# Altium PCB SOM Board with RK3399.PcbDoc (part 1 of 5)
Units mil, origin at the board's own origin, x right, y up, seen from the top; angles counter-clockwise.
Board outline 2740.16 x 1968.5 mil, 12 copper layers (Top Layer, GND-1, PWR-1, PWR-2, GND-2, L1, GND-3, L2, GND-4, L3, GND-5, Bottom Layer), stack 70.898 mil thick; 567 components, 532 nets, 5770 pads, 0 vias.
Unrouted connection lines stored in the file: 2231.
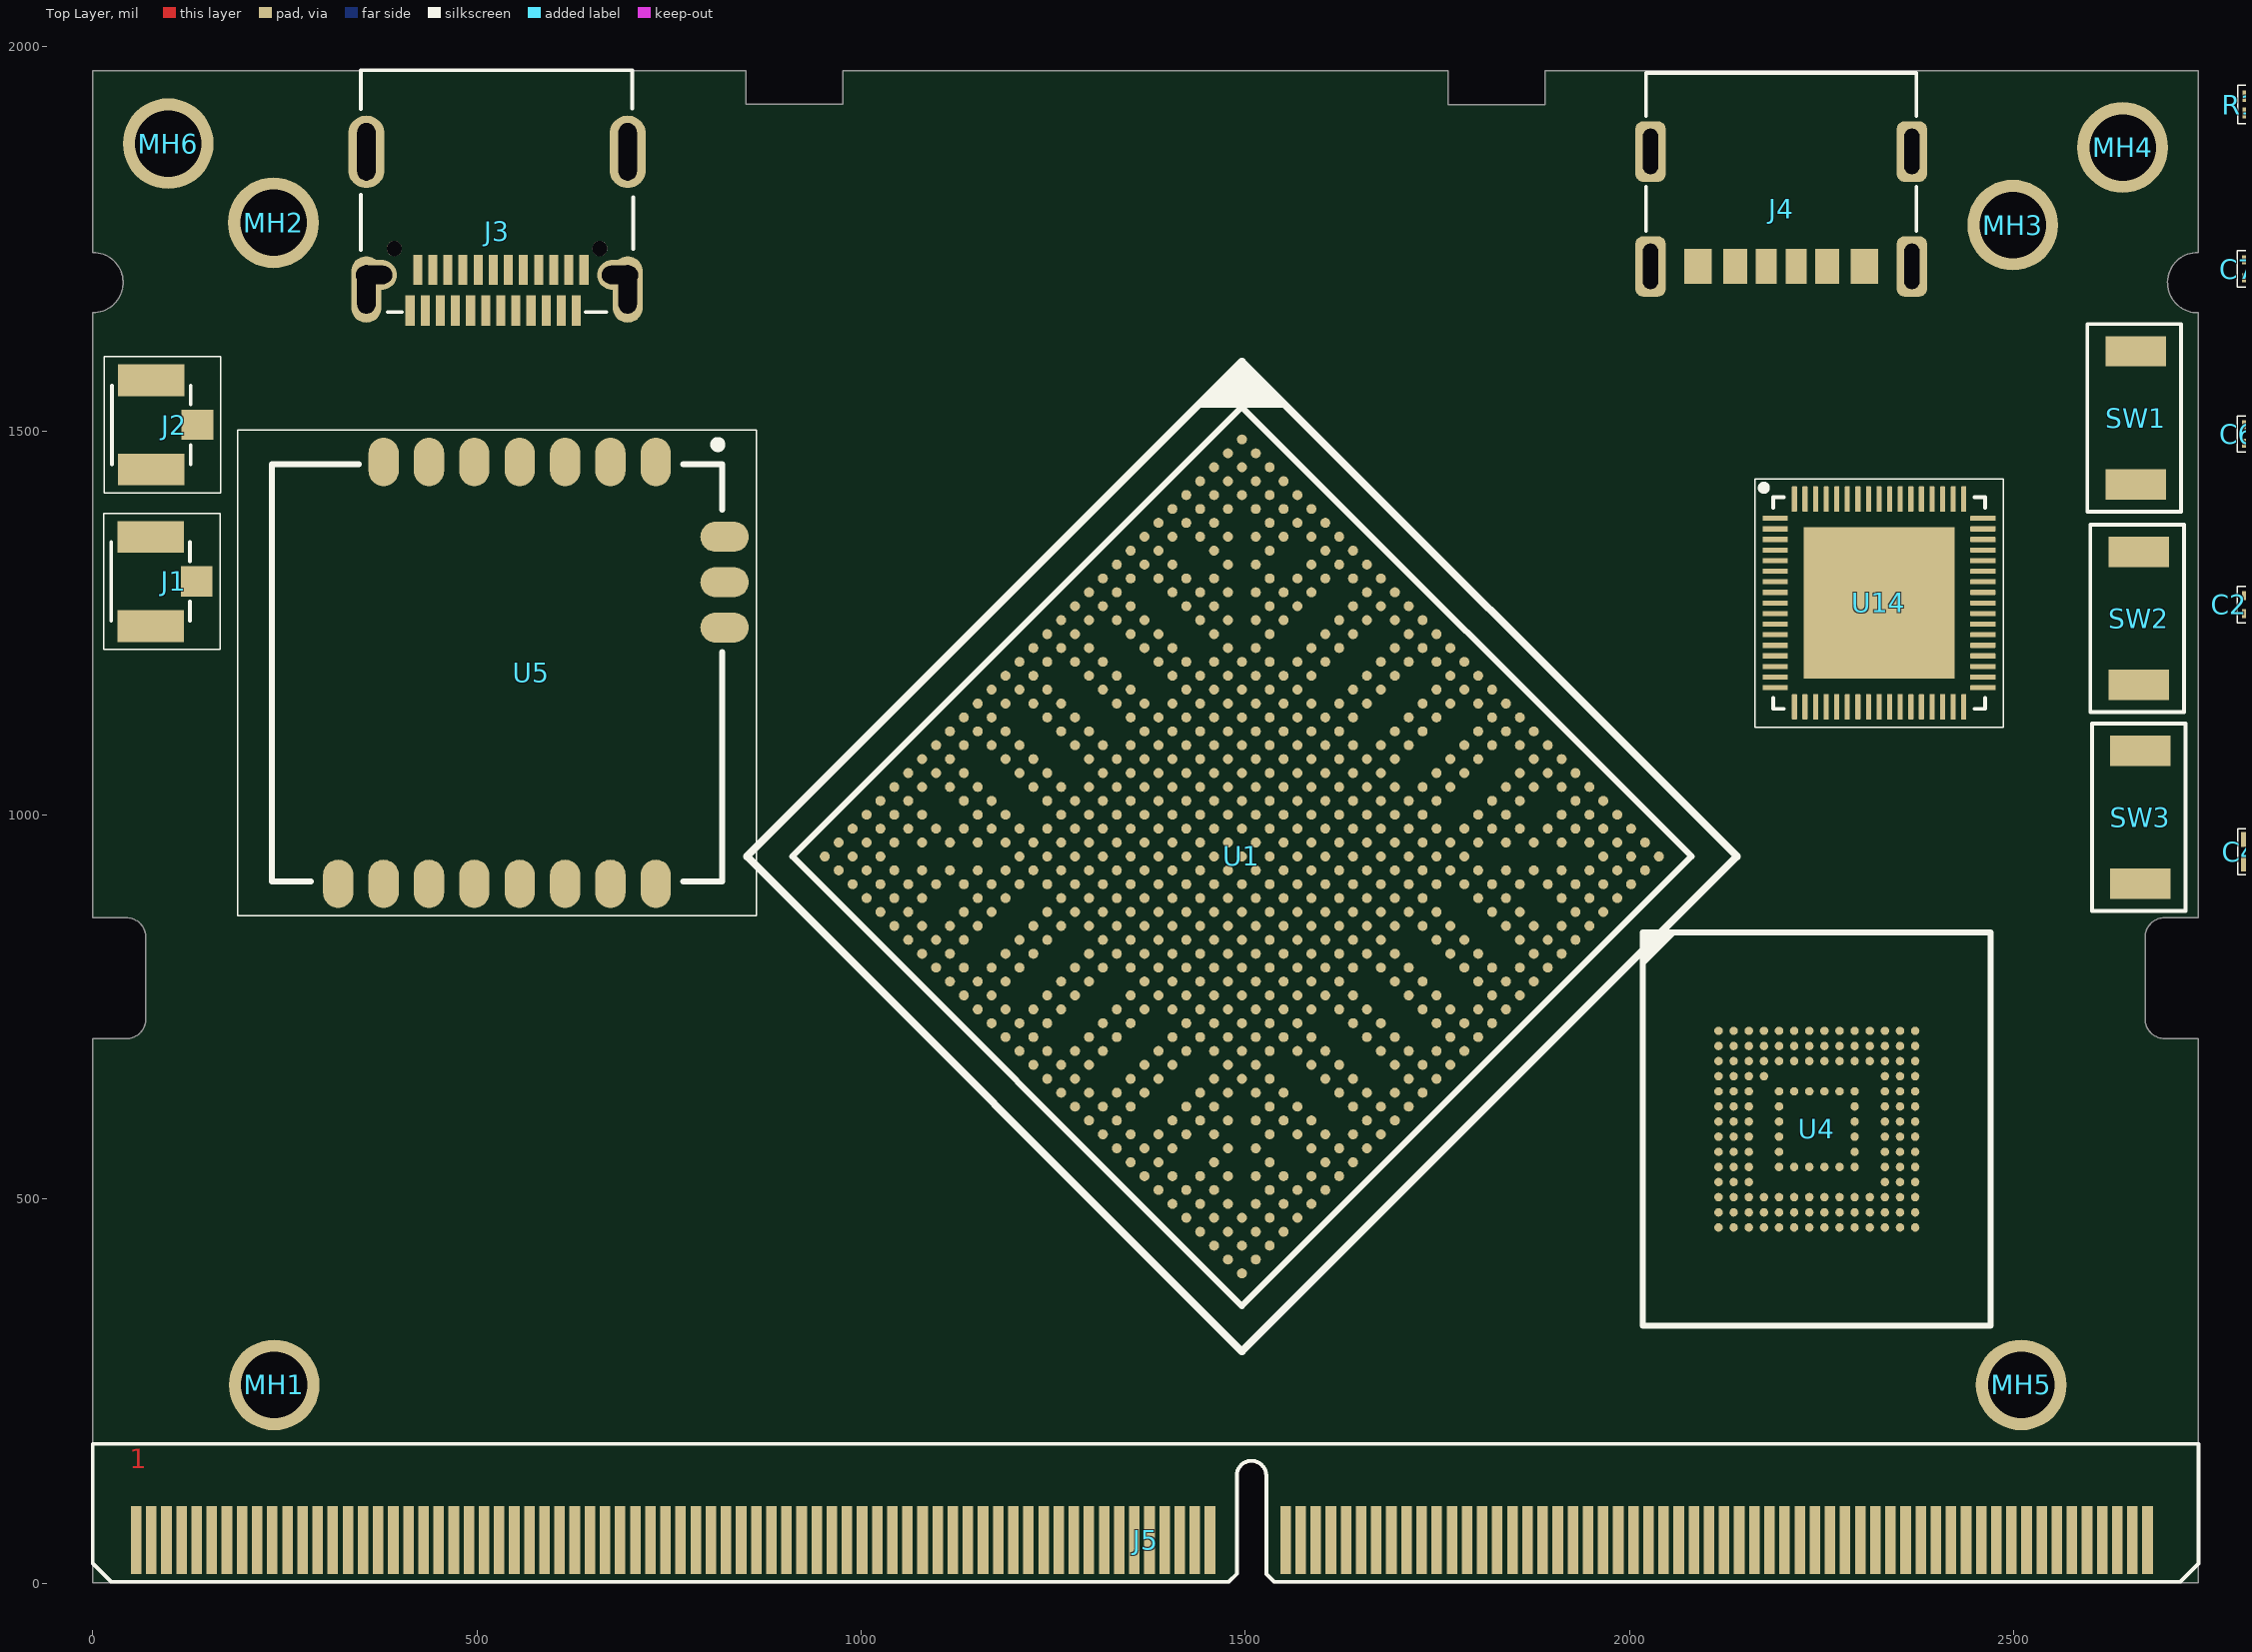
[diagram p0: Top Layer view]
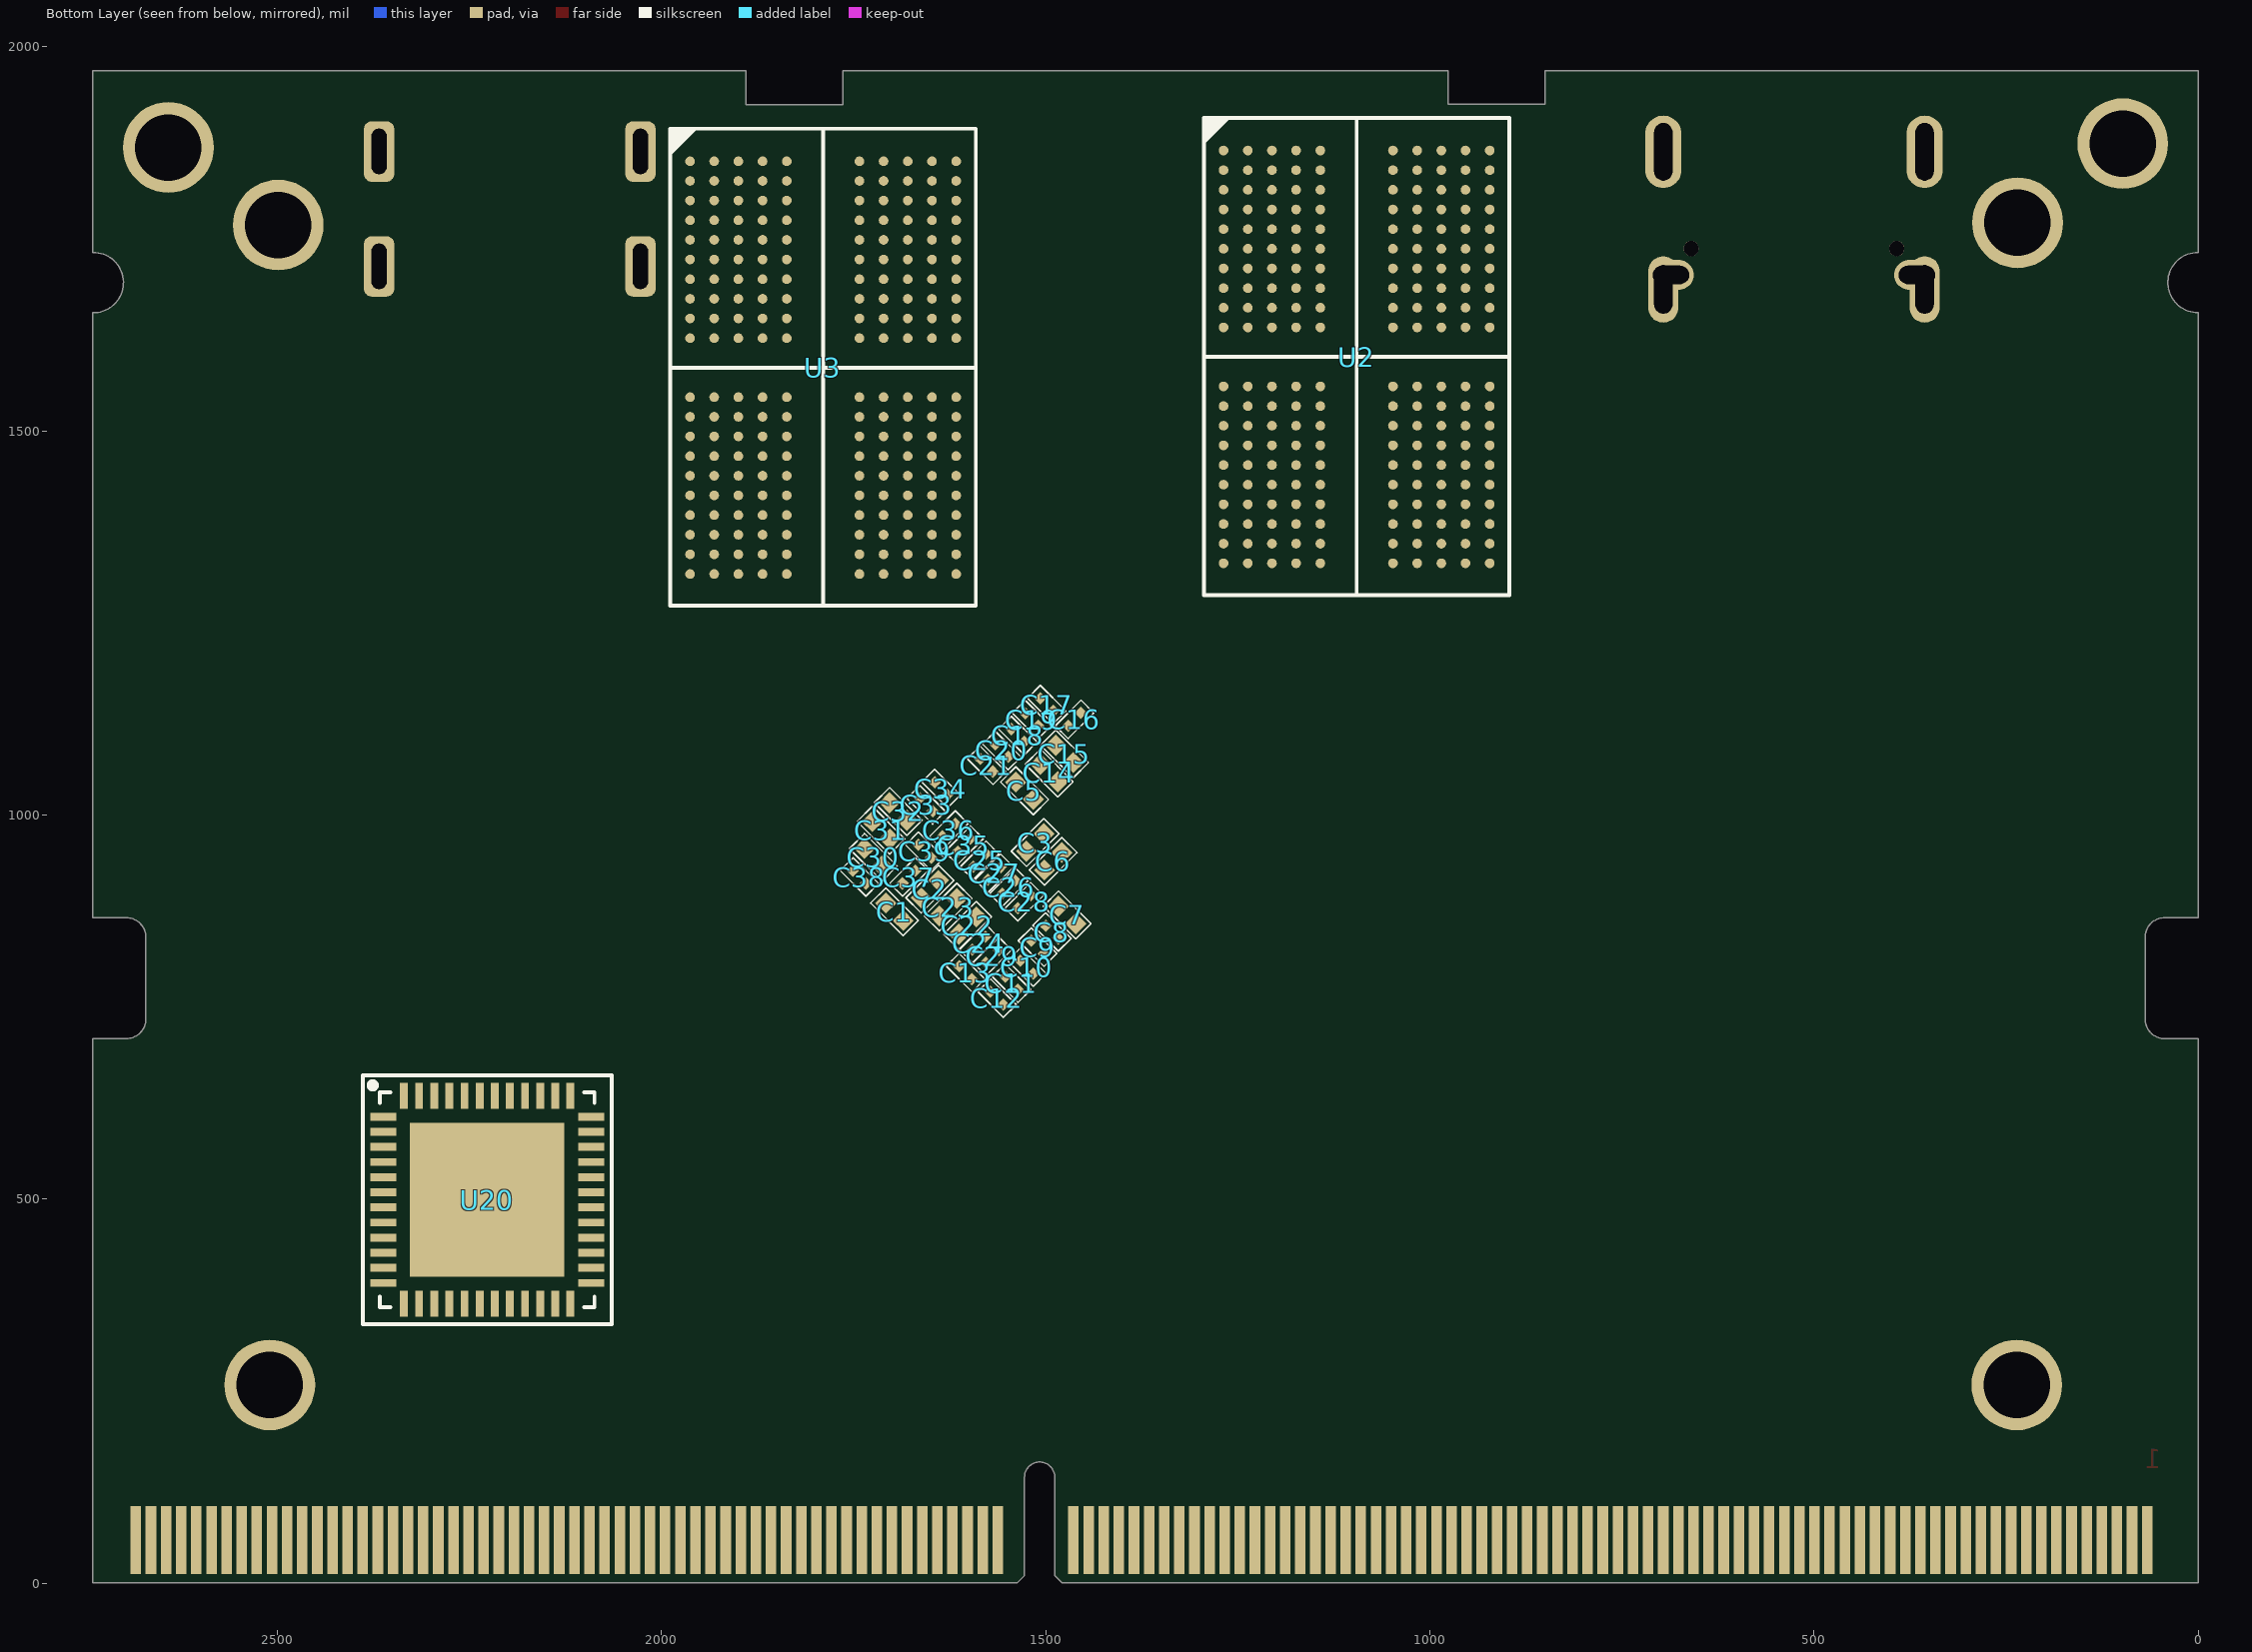
[diagram p1: Bottom Layer view, seen from below]
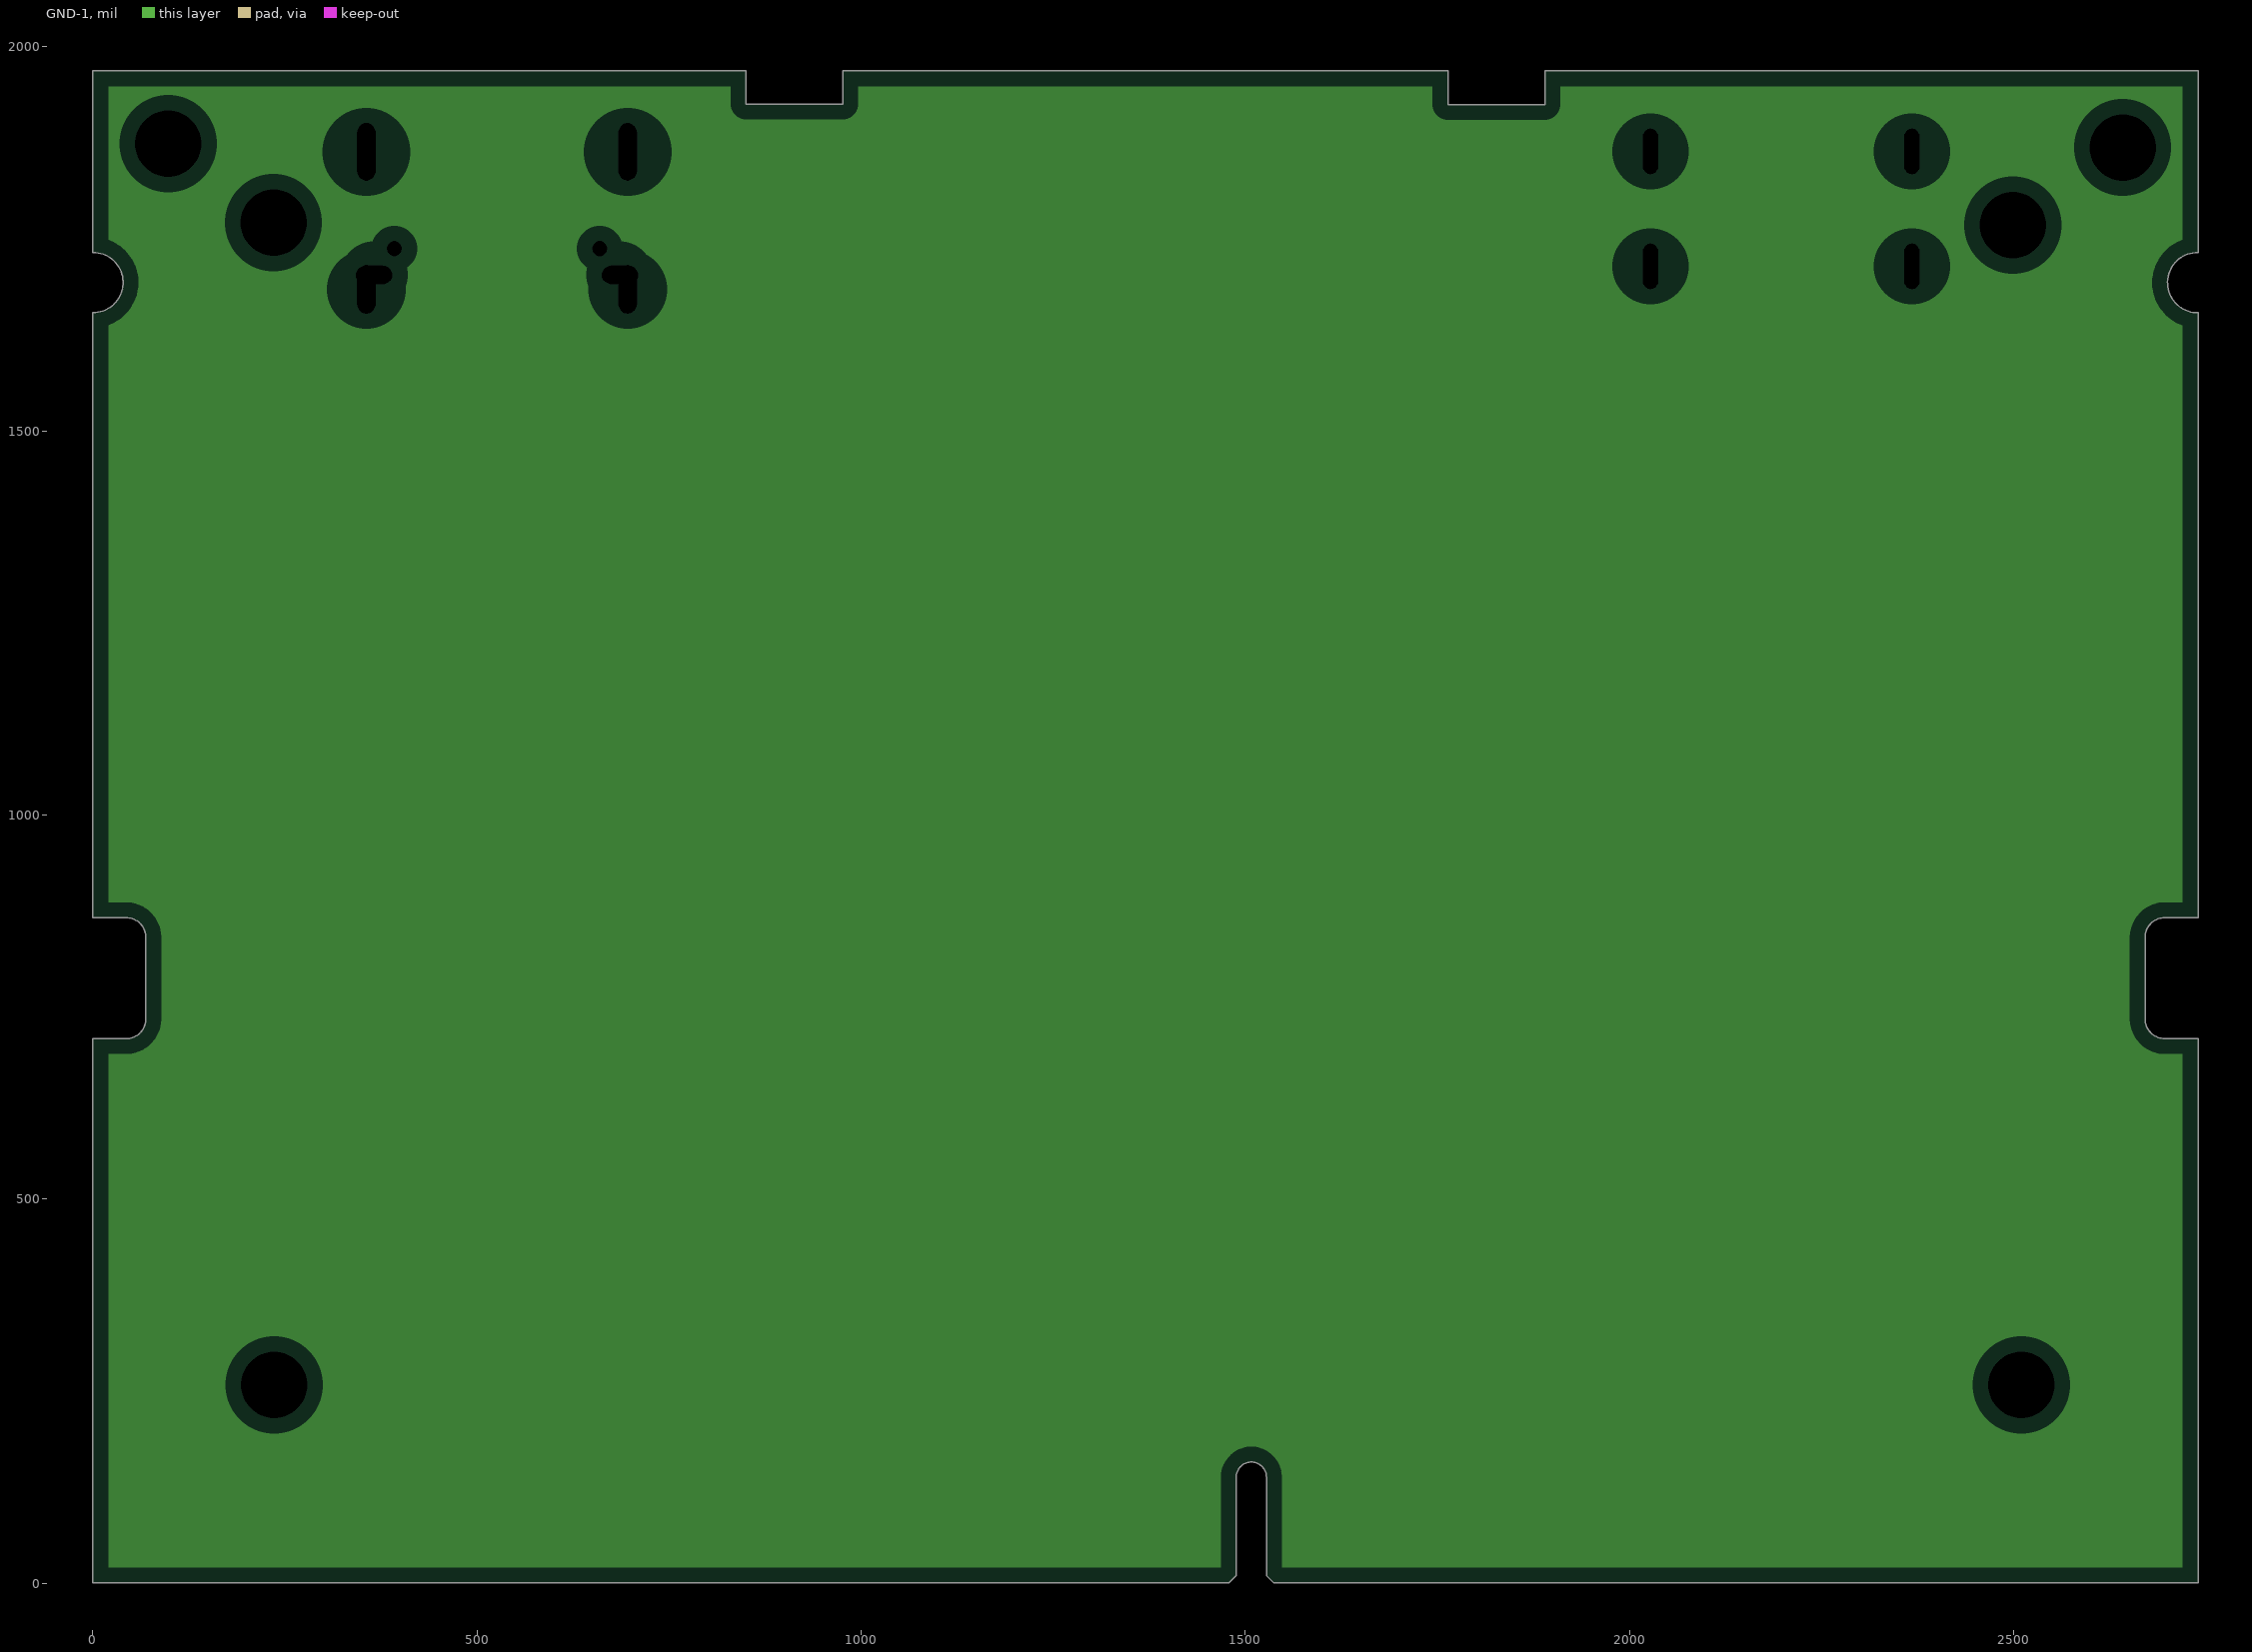
[diagram p2: GND-1, clearances drawn from the general rule]
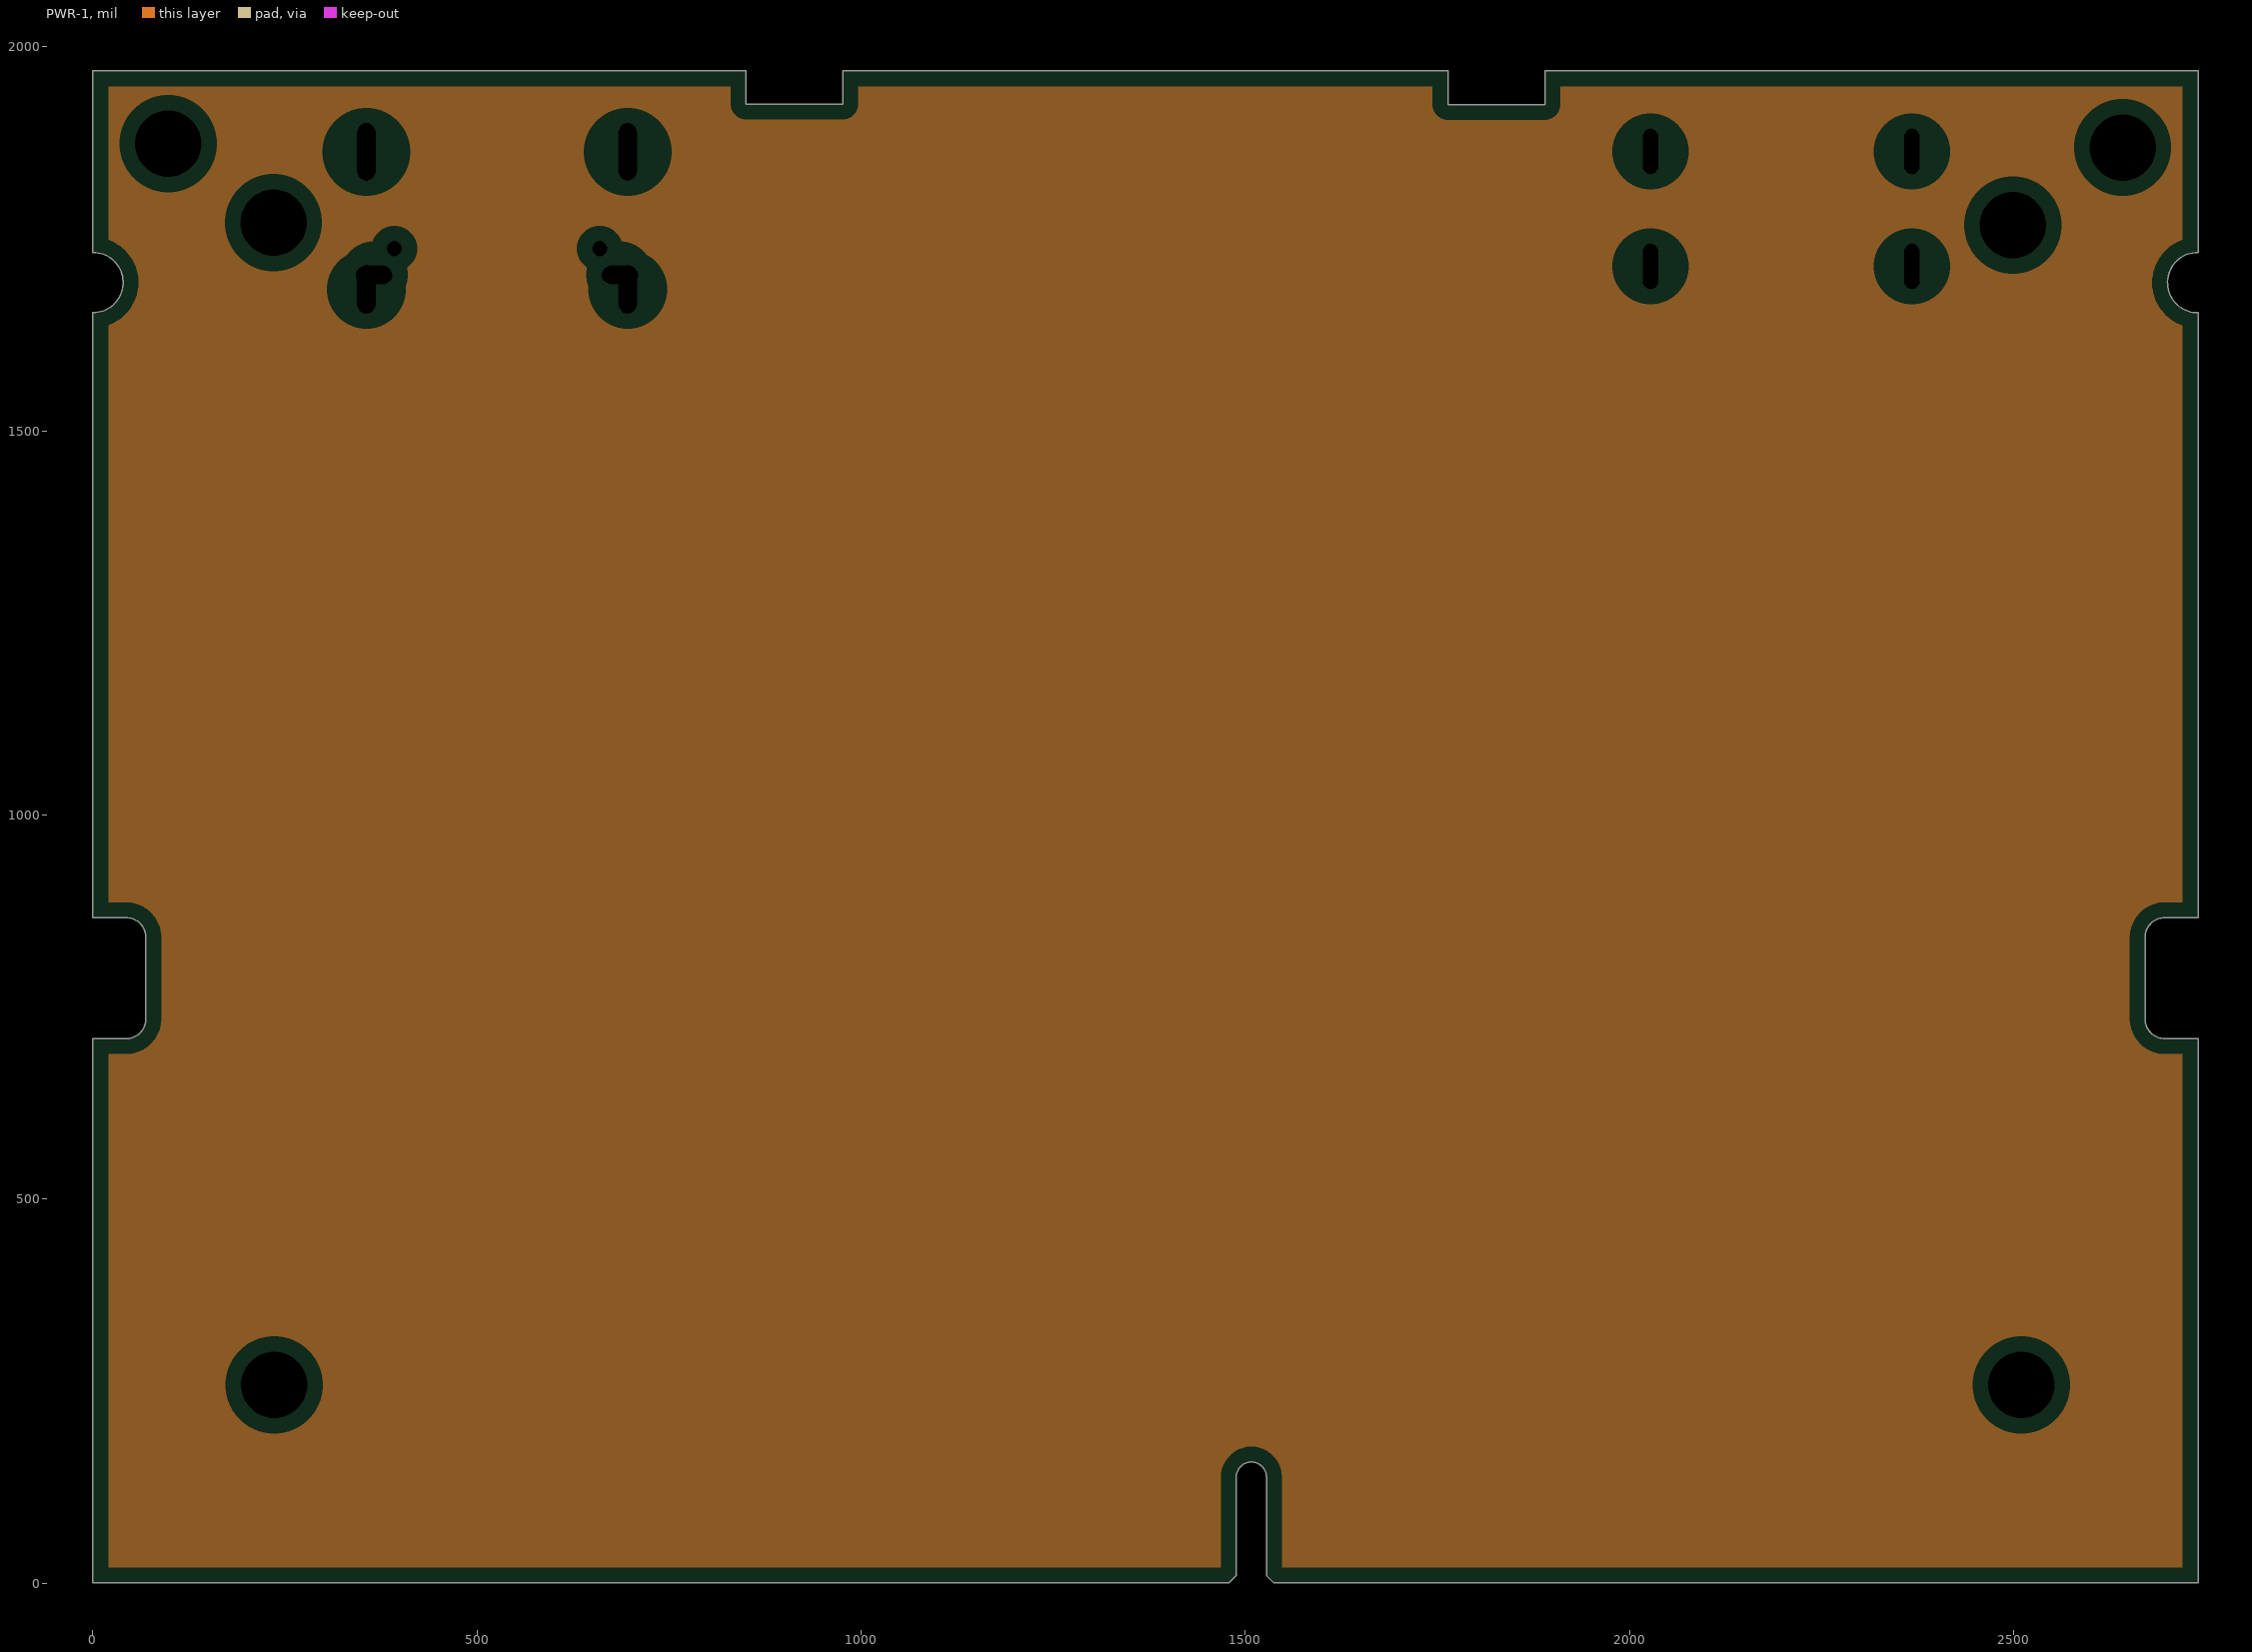
[diagram p3: PWR-1, clearances drawn from the general rule]